# Altium PCB LB-word-PCB.PcbDoc (part 3 of 4)
Units mm, origin at the board's own origin, x right, y up, seen from the top; angles counter-clockwise.
Board outline 400 x 70 mm, 4 copper layers (Top Layer, Signal Layer 1, Signal Layer 2, Bottom Layer), stack 0.778 mm thick; 411 components, 279 nets, 1593 pads, 857 vias.
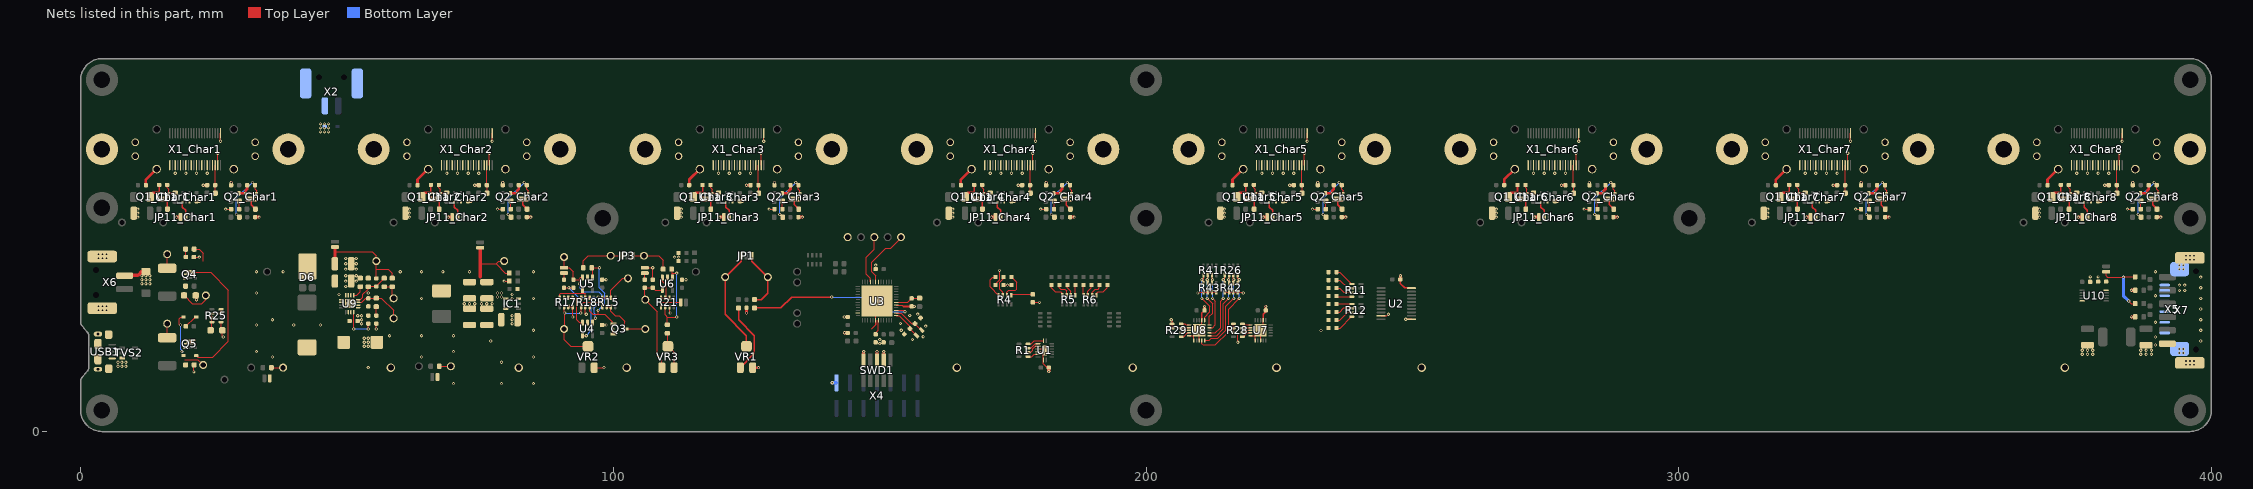
[diagram p5: the nets of this part, all layers, seen from the top]

## Via types
v1: diameter 0.6, hole 0.3, Top Layer to Bottom Layer, 849 vias
v2: diameter 1.6, hole 1.1, Top Layer to Bottom Layer, 8 vias

## Nets (pads, with @x,y where several pads share a name; then routed paths per layer and width w, separated by ;. In a path a pad name is that pad's centre, name@x,y a point inside that pad or via, vN(x,y) a via of type N, cw(c..) or ccw(c..) an arc to the next point about the centre after c; other vN are vias at no path point) (continued)
GND: C1.2 C3_Char1.2 C3_Char2.2 C3_Char3.2 C3_Char4.2 C3_Char5.2 C3_Char6.2 C3_Char7.2 C3_Char8.2 C4_Char1.2 C4_Char2.2 C4_Char3.2 C4_Char4.2 C4_Char5.2 C4_Char6.2 C4_Char7.2 C4_Char8.2 C5_Char1.2 C5_Char2.2 C5_Char3.2 C5_Char4.2 C5_Char5.2 C5_Char6.2 C5_Char7.2 C5_Char8.2 C7_Char1.2 C7_Char2.2 C7_Char3.2 C7_Char4.2 C7_Char5.2 C7_Char6.2 C7_Char7.2 C7_Char8.2 C8_Char1.2 C8_Char2.2 C8_Char3.2 C8_Char4.2 C8_Char5.2 C8_Char6.2 C8_Char7.2 C8_Char8.2 C9.2 C10.2 C11.2 C12.2 C13.2 C14.2 C15.2 C18.2 C19.2 C21.2 C22.2 C23.2 C24.2 C25.2 C26.2 C27.2 C28.2 C29.2 C30.2 C31.2 C32.2 C33.2 C34.2 C35.2 C36.2 C37.2 C38_Char1.2 C38_Char2.2 C38_Char3.2 C38_Char4.2 C38_Char5.2 C38_Char6.2 C38_Char7.2 C38_Char8.2 CI1.2 CI2.2 CI3.2 CO1.2 CO2.2 CR1.2 CX1.2 CX2.2 D1.1 D5.A D7.A Hole1_Char1.1 Hole1_Char2.1 Hole1_Char3.1 Hole1_Char4.1 Hole1_Char5.1 Hole1_Char6.1 Hole1_Char7.1 Hole1_Char8.1 Hole2_Char1.1 Hole2_Char2.1 Hole2_Char3.1 Hole2_Char4.1 Hole2_Char5.1 Hole2_Char6.1 Hole2_Char7.1 Hole2_Char8.1 IC1.1 JP4.1 JP11_Char1.3 JP11_Char2.3 JP11_Char3.3 JP11_Char4.3 JP11_Char5.3 JP11_Char6.3 JP11_Char7.3 JP11_Char8.3 L1.1 L2.1 L3.1 L4.1 L13.1 L14.1 L15.1 L16.1 L17.1 L18.1 L19.1 L20.1 L21.1 L25_Char1.1 L25_Char2.1 L25_Char3.1 L25_Char4.1 L25_Char5.1 L25_Char6.1 L25_Char7.1 L25_Char8.1 Q3.3 R17.3 R17.4 R18.2 R21.3 R25.5 R27.1 R28.1 R28.2 R28.3 R29.1 R29.2 R32.1 R34.1 R38.1 R40.1 R42.1 R42.2 R42.3 R42.4 R43.1 R43.2 R43.3 R43.4 RFB2.1 SWD1.3 SWD1.5 SWD1.9 TP25.1 TVS1.2 TVS2.3 U1.4 U1.5 U1.8 U1.PAD U2.1 U2.10 U2.19 U3.5 U3.18 U3.35 U3.42 U3.49 U4.2 U5.2 U6.2 U7.5 U7.6 U7.8 U7.17 U7.PAD U8.5 U8.6 U8.8 U8.17 U8.PAD U9.5 U9.6 U9.10 U9.11 U9.12 U9.13 U9.14 U9.PAD U10.5 U11_Char1.3 U11_Char2.3 U11_Char3.3 U11_Char4.3 U11_Char5.3 U11_Char6.3 U11_Char7.3 U11_Char8.3 USB1.5 USB1.Shield VR1.1 VR2.1 X1_Char1.1 X1_Char1.3 X1_Char1.5 X1_Char1.7 X1_Char1.9 X1_Char1.11 X1_Char1.13 X1_Char1.15 X1_Char1.17 X1_Char1.19 X1_Char1.40 X1_Char1.PWR1 X1_Char1.PWR2 X1_Char1.TAB1 X1_Char1.TAB2 X1_Char2.1 X1_Char2.3 X1_Char2.5 X1_Char2.7 X1_Char2.9 X1_Char2.11 X1_Char2.13 X1_Char2.15 X1_Char2.17 X1_Char2.19 X1_Char2.40 X1_Char2.PWR1 X1_Char2.PWR2 X1_Char2.TAB1 X1_Char2.TAB2 X1_Char3.1 X1_Char3.3 X1_Char3.5 X1_Char3.7 X1_Char3.9 X1_Char3.11 X1_Char3.13 X1_Char3.15 X1_Char3.17 X1_Char3.19 X1_Char3.40 X1_Char3.PWR1 X1_Char3.PWR2 X1_Char3.TAB1 X1_Char3.TAB2 X1_Char4.1 X1_Char4.3 X1_Char4.5 X1_Char4.7 X1_Char4.9 X1_Char4.11 X1_Char4.13 X1_Char4.15 X1_Char4.17 X1_Char4.19 X1_Char4.40 X1_Char4.PWR1 X1_Char4.PWR2 X1_Char4.TAB1 X1_Char4.TAB2 X1_Char5.1 X1_Char5.3 X1_Char5.5 X1_Char5.7 X1_Char5.9 X1_Char5.11 X1_Char5.13 X1_Char5.15 X1_Char5.17 X1_Char5.19 X1_Char5.40 X1_Char5.PWR1 X1_Char5.PWR2 X1_Char5.TAB1 X1_Char5.TAB2 X1_Char6.1 X1_Char6.3 X1_Char6.5 X1_Char6.7 X1_Char6.9 X1_Char6.11 X1_Char6.13 X1_Char6.15 X1_Char6.17 X1_Char6.19 X1_Char6.40 X1_Char6.PWR1 X1_Char6.PWR2 X1_Char6.TAB1 X1_Char6.TAB2 X1_Char7.1 X1_Char7.3 X1_Char7.5 X1_Char7.7 X1_Char7.9 X1_Char7.11 X1_Char7.13 X1_Char7.15 X1_Char7.17 X1_Char7.19 X1_Char7.40 X1_Char7.PWR1 X1_Char7.PWR2 X1_Char7.TAB1 X1_Char7.TAB2 X1_Char8.1 X1_Char8.3 X1_Char8.5 X1_Char8.7 X1_Char8.9 X1_Char8.11 X1_Char8.13 X1_Char8.15 X1_Char8.17 X1_Char8.19 X1_Char8.40 X1_Char8.PWR1 X1_Char8.PWR2 X1_Char8.TAB1 X1_Char8.TAB2 X2.1 X2.TAB X4.1 X5.1 X5.2 X5.3 X5.6 X5.8 X5.10 X5.TAB X6.1 X6.TAB X7.1 X7.TAB | length 190.4
  Top Layer w0.15: X1_Char1.19@25.75,50 v1(25.75,52.25) ; v1(26.25,54.5) X1_Char1.40@26.25,56 ; v1(55.5,19.25) C33.2@55.5,20.25 ; X1_Char2.19@76.75,50 v1(76.75,52.25) ; v1(77.25,54.5) X1_Char2.40@77.25,56 ; v1(79.5,28.25) RFB2.1@80.45,28.25 ; R17.3@91.55,23.4 R17.4@92.35,23.4 92.35,21.55 v1(92.4,21.5) ; R18.2@94.75,23.4 94.75,22.15 v1(94.9,22) ; v1(99.9,19.25) 100.025,19.125 Q3.3@100.025,18.3 ; JP4.1@105.9,30.75 v1(107.4,30.75) C22.2@107.4,28.5 ; R21.3@110.55,23.4 110.55,22.35 v1(110.65,22.25) ; X1_Char3.19@127.75,50 v1(127.75,52.25) ; v1(128.25,54.5) X1_Char3.40@128.25,56 ; L1.1@171.75,27.5 171.75,27.75 172.5,28.5 v1(172.5,30.25) ; X1_Char4.19@178.75,50 v1(178.75,52.25) ; v1(179.25,54.5) X1_Char4.40@179.25,56 ; v1(204.75,21) 204.75,20.9 204.9,20.75 R29.1@204.9,20.2 R29.2@204.9,19.4 ; U8.5@208.1,18 U8.PAD@209,18 ; U8.6@209,17.1 U8.PAD@209,18 ; U8.8@210,17.1 U8.PAD@210,19 U8.PAD@209,18 ; X1_Char5.19@229.75,50 v1(229.75,52.25) ; v1(230.25,54.5) X1_Char5.40@230.25,56 ; X1_Char6.19@280.75,50 v1(280.75,52.25) ; v1(281.25,54.5) X1_Char6.40@281.25,56 ; X1_Char7.19@331.75,50 v1(331.75,52.25) ; v1(332.25,54.5) X1_Char7.40@332.25,56 ; X1_Char8.19@382.75,50 v1(382.75,52.25) ; v1(383.25,54.5) X1_Char8.40@383.25,56
  Top Layer w0.2: v1(21.25,11.2) 21.25,12.45 R27.1@21.3,12.5 ; L21.1@21.25,32.75 v1(22.25,32.75) ; R25.5@26.35,20.55 26.35,19.25 D5.A@26.6,19 26.6,17.9 v1(26.75,17.75) ; v1(27.25,41.75) L25_Char1.1@28.25,41.75 ; v1(78.25,41.75) L25_Char2.1@79.25,41.75 ; VR2.1@96.4,12 v1(98.25,12) ; v1(129.25,41.75) L25_Char3.1@130.25,41.75 ; 148.5,19.25 149.25,20 ; U3.42@149.25,20.925 149.25,23 149.5,23.25 U3.49@149.5,24.5 ; U3.5@153.075,23.75 154.25,23.75 154.5,23.5 ; L2.1@173.25,27.5 L3.1@174.75,27.5 ; L4.1@178.75,24.25 v1(180,24.25) ; U1.5@179.7,15 U1.PAD@180.75,15 ; U1.4@179.7,15.5 180.75,15.5 U1.PAD@181,15.25 U1.PAD@180.75,15 ; v1(180.25,41.75) L25_Char4.1@181.25,41.75 ; C1.2@181.5,12 180.75,12.75 U1.8@180.75,13.45 U1.PAD@180.75,15 ; v1(209.75,26) 209.9,26.15 R43.1@210.8,26.15 R43.2@211.6,26.15 R43.3@212.4,26.15 R43.4@213.2,26.15 ; U8.PAD@210,19 210.5,19.5 U8.17@210.5,20.9 ; R42.1@214.8,26.15 R42.2@215.6,26.15 R42.3@216.4,26.15 R42.4@217.2,26.15 218.1,26.15 v1(218.25,26) ; R28.1@216.4,20.2 R28.2@216.4,19.4 R28.3@216.4,18.6 216.9,18.6 217.25,18.25 v1(217.25,16.75) ; U7.5@219.6,18 220.5,18 U7.6@220.5,17.1 ; U7.8@221.5,17.1 U7.PAD@221.5,19 222,19.5 U7.17@222,20.9 ; v1(231.25,41.75) L25_Char5.1@232.25,41.75 ; U2.19@244.15,21.725 245.225,21.725 v1(245.5,22) ; v1(282.25,41.75) L25_Char6.1@283.25,41.75 ; v1(333.25,41.75) L25_Char7.1@334.25,41.75 ; v1(384.25,41.75) L25_Char8.1@385.25,41.75
  Top Layer w0.25: 149.25,20 U3.42@149.25,20.925
  Top Layer w0.3: U8.17@210.5,20.9 210.5,22.25 C26.2@211,22.75 ; U7.17@222,20.9 222,22 C25.2@222.5,22.5 ; C10.2@247.75,28.55 247.75,27.8 248.575,26.975 U2.10@249.85,26.975 ; v1(248.75,21.075) U2.1@249.85,21.075
  Top Layer w0.4: 154.5,23.5 C11.2@156,23.5
  Top Layer w0.5: C3_Char1.2@12.25,46.25 12.25,47.275 X1_Char1.PWR1@14.25,49.275 ; v1(23,46.25) C5_Char1.2@23.75,46.25 ; C8_Char1.2@28.25,46.25 v1(28.25,46.75) ; C3_Char2.2@63.25,46.25 63.25,47.275 X1_Char2.PWR1@65.25,49.275 ; v1(74,46.25) C5_Char2.2@74.75,46.25 ; C8_Char2.2@79.25,46.25 v1(79.25,46.75) ; C3_Char3.2@114.25,46.25 114.25,47.275 X1_Char3.PWR1@116.25,49.275 ; v1(125,22.25) C9.2@125,23.25 ; v1(125,46.25) C5_Char3.2@125.75,46.25 ; VR1.1@126.15,12 v1(127.25,12) ; C8_Char3.2@130.25,46.25 v1(130.25,46.75) ; v1(143.4,18.55) 143.45,18.5 CR1.2@144,18.5 ; SWD1.9@146.96,13.45 146.96,14.96 v1(147,15) ; SWD1.5@149.5,13.45 v1(149.5,15) ; v1(150.75,15) 150.77,14.98 SWD1.3@150.77,13.45 ; C3_Char4.2@165.25,46.25 165.25,47.275 X1_Char4.PWR1@167.25,49.275 ; v1(176,46.25) C5_Char4.2@176.75,46.25 ; C8_Char4.2@181.25,46.25 v1(181.25,46.75) ; C3_Char5.2@216.25,46.25 216.25,47.275 X1_Char5.PWR1@218.25,49.275 ; C25.2@222.5,22.75 v1(222.5,23.5) ; v1(227,46.25) C5_Char5.2@227.75,46.25 ; C8_Char5.2@232.25,46.25 v1(232.25,46.75) ; C3_Char6.2@267.25,46.25 267.25,47.275 X1_Char6.PWR1@269.25,49.275 ; v1(278,46.25) C5_Char6.2@278.75,46.25 ; C8_Char6.2@283.25,46.25 v1(283.25,46.75) ; C3_Char7.2@318.25,46.25 318.25,47.275 X1_Char7.PWR1@320.25,49.275 ; v1(329,46.25) C5_Char7.2@329.75,46.25 ; C8_Char7.2@334.25,46.25 v1(334.25,46.75) ; C3_Char8.2@369.25,46.25 369.25,47.275 X1_Char8.PWR1@371.25,49.275 ; v1(380,46.25) C5_Char8.2@380.75,46.25 ; C8_Char8.2@385.25,46.25 v1(385.25,46.75)
  Top Layer w0.6: X6.1@7.75,29.35 10.785,29.35 TVS1.2@11.5,30.065 ; v1(18,40.25) JP11_Char1.3@18.75,40.25 ; D1.1@21.6,25.55 21.75,25.4 v1(21.75,24.75) ; C38_Char1.2@21.75,43.25 v1(22.25,43.25) ; C7_Char1.2@32.75,40.25 v1(33.5,40.25) ; v1(69,40.25) JP11_Char2.3@69.75,40.25 ; C38_Char2.2@72.75,43.25 v1(73.25,43.25) ; C7_Char2.2@83.75,40.25 v1(84.5,40.25) ; v1(120,40.25) JP11_Char3.3@120.75,40.25 ; C38_Char3.2@123.75,43.25 v1(124.25,43.25) ; C7_Char3.2@134.75,40.25 v1(135.5,40.25) ; C11.2@156,23.5 v1(156.5,23.5) ; v1(171,40.25) JP11_Char4.3@171.75,40.25 ; C38_Char4.2@174.75,43.25 v1(175.25,43.25) ; v1(181.75,11.25) C1.2@181.75,12 ; C7_Char4.2@185.75,40.25 v1(186.5,40.25) ; C26.2@211,22.75 v1(211,23.5) ; v1(222,40.25) JP11_Char5.3@222.75,40.25 ; C38_Char5.2@225.75,43.25 v1(226.25,43.25) ; C7_Char5.2@236.75,40.25 v1(237.5,40.25) ; C10.2@247.75,28.55 v1(247.75,29.25) ; v1(273,40.25) JP11_Char6.3@273.75,40.25 ; C38_Char6.2@276.75,43.25 v1(277.25,43.25) ; C7_Char6.2@287.75,40.25 v1(288.5,40.25) ; v1(324,40.25) JP11_Char7.3@324.75,40.25 ; C38_Char7.2@327.75,43.25 v1(328.25,43.25) ; C7_Char7.2@338.75,40.25 v1(339.5,40.25) ; v1(375,40.25) JP11_Char8.3@375.75,40.25 ; C38_Char8.2@378.75,43.25 v1(379.25,43.25) ; v1(385,21.527) R40.1@385.7,21.527 ; v1(385,26.527) R38.1@385.7,26.527 ; C7_Char8.2@389.75,40.25 v1(390.5,40.25) ; X7.TAB@394,12.5 395.949,12.5 X7.TAB@395.95,12.9
  Bottom Layer w0.6: v1(141.1,9.15) X4.1@141.88,9.15
  other v1: 70,9 79,9 85,9 54,12 7,12.25 7.75,12.25 8.5,12.25 395.25,12.5 396,12.5 396.75,12.5 7,13 7.75,13 8.5,13 79,13 395.25,13.25 396,13.25 396.75,13.25 36,14 64,14 85,14 375.75,14.5 376.75,14.5 377.75,14.5 386.75,14.5 387.75,14.5 388.75,14.5 394,14.75 394.75,14.75 33,15 70,15 375.75,15.25 376.75,15.25 377.75,15.25 386.75,15.25 387.75,15.25 388.75,15.25 394,15.5 394.75,15.5 53.25,16 54,16 389.5,16.25 150,16.5 53.25,16.75 54,16.75 77,17 398,17 150,17.25 156.15,17.3 53.25,17.5 54,17.5 389.5,17.75 158.15,17.8 58,18 64,18 70,18 232.85,18.975 85,19 154.05,19 398,19 158.65,19.8 33,20 40,20 45,20 98.65,20 52.75,20.25 81,20.25 153.9,20.3 389.5,20.5 36,21 52.75,21 81,21 398,21 143.35,21.5 52,21.75 52.75,21.75 81,21.75 155.65,21.8 157.15,22.05 3.35,22.8 4.1,22.8 4.85,22.8 398,23 50,23.5 51,23.5 3.35,23.55 4.1,23.55 4.85,23.55 72,24 73,24 74,24 75.25,24 76.25,24 77.25,24 50,24.5 51,24.5 64,25 81,25 85,25 398,25 78.25,25.25 79,25.25 389.5,25.5 48.5,25.75 81,25.75 33,26 54,26 78.25,26 79,26 394,26.5 395,26.5 398,27 49.75,27.25 174,27.5 394,27.5 395,27.5 11.5,27.75 12.25,27.75 13,27.75 49.75,28.25 51.75,28.25 11.5,28.5 12.25,28.5 13,28.5 98.65,28.5 113.65,28.5 398,29 377.25,29.027 378.75,29.027 11.5,29.25 12.25,29.25 13,29.25 49.75,29.25 51.75,29.25 33,30 38,30 60,30 64,30 68,30 73,30 85,30 389.5,30 49.75,30.5 51.75,30.5 394,30.5 394.75,30.5 149.25,31.25 394,31.25 394.75,31.25 49.75,31.5 51.75,31.5 395.25,32.25 396,32.25 396.75,32.25 49.75,32.5 51.75,32.5 3.35,32.55 4.1,32.55 4.85,32.55 111.5,32.75 112.25,32.75 395.25,33 396,33 396.75,33 3.35,33.3 4.1,33.3 4.85,33.3 10.75,40.25 61.75,40.25 112.75,40.25 163.75,40.25 214.75,40.25 265.75,40.25 316.75,40.25 367.75,40.25 10.75,41 61.75,41 112.75,41 163.75,41 214.75,41 265.75,41 316.75,41 367.75,41 10.75,41.75 61.75,41.75 112.75,41.75 163.75,41.75 214.75,41.75 265.75,41.75 316.75,41.75 367.75,41.75 17.75,48.5 19.75,48.5 21.75,48.5 23.75,48.5 68.75,48.5 70.75,48.5 72.75,48.5 74.75,48.5 119.75,48.5 121.75,48.5 123.75,48.5 125.75,48.5 170.75,48.5 172.75,48.5 174.75,48.5 176.75,48.5 221.75,48.5 223.75,48.5 225.75,48.5 227.75,48.5 272.75,48.5 274.75,48.5 276.75,48.5 278.75,48.5 323.75,48.5 325.75,48.5 327.75,48.5 329.75,48.5 374.75,48.5 376.75,48.5 378.75,48.5 380.75,48.5 45,56.25 45.75,56.25 46.5,56.25 45,57 45.75,57 46.5,57 45,57.75 45.75,57.75 46.5,57.75
  other v2: 58.25,12 82.25,12 102.5,12 164.5,12 197.5,12 224.5,12 251.75,12 372.5,12
MCU_DAC: R9.1 U3.3 | length 32
  Top Layer w0.2: U3.3@153.075,22.75 154.5,22.75 v1(154.75,22.5)
  Top Layer w0.25: R9.1@126.5,23.2 131.45,23.2 133.5,25.25 v1(141,25.25)
  Bottom Layer w0.15: v1(141,25.25) 147,25.25 149.75,22.5 v1(154.75,22.5)
MISO: TP23.1 U3.21 | length 9.9
  Top Layer w0.15: U3.21@148.25,28.075 148.25,28.75 147.5,29.5 147.5,32.75 149,34.25 TP23.1@149,37
MOSI: TP21.1 U3.19 | length 11.6
  Top Layer w0.15: U3.19@149.25,28.075 149.25,29.25 148.5,30 148.5,31.75 151.125,34.375 152.125,34.375 154,36.25 TP21.1@154,36.5
NetC2_Char1_1: C2_Char1.1 F1_Char1.1 Q1_Char1.S | length 4.4
  Top Layer w0.3: C2_Char1.1@14.75,46.3 14.75,44.8 14.475,44.8 14.508,44.767 Q1_Char1.S@15.4,44.767
  Top Layer w0.5: F1_Char1.1@13.027,44.3 13.527,44.8 Q1_Char1.S@14.475,44.8
NetC2_Char1_2: C2_Char1.2 Q1_Char1.G R7_Char1.2 | length 2.9
  Top Layer w0.2: C2_Char1.2@16.25,46.3 16.25,45.75 16.525,45.475 16.525,44.8 17.55,44.8 R7_Char1.2@17.75,44.6
NetC2_Char2_1: C2_Char2.1 F1_Char2.1 Q1_Char2.S | length 4.4
  Top Layer w0.3: C2_Char2.1@65.75,46.3 65.75,44.8 65.475,44.8 65.508,44.767 Q1_Char2.S@66.4,44.767
  Top Layer w0.5: F1_Char2.1@64.027,44.3 64.527,44.8 Q1_Char2.S@65.475,44.8
NetC2_Char2_2: C2_Char2.2 Q1_Char2.G R7_Char2.2 | length 2.9
  Top Layer w0.2: C2_Char2.2@67.25,46.3 67.25,45.75 67.525,45.475 67.525,44.8 68.55,44.8 R7_Char2.2@68.75,44.6
NetC2_Char3_1: C2_Char3.1 F1_Char3.1 Q1_Char3.S | length 4.4
  Top Layer w0.3: C2_Char3.1@116.75,46.3 116.75,44.8 116.475,44.8 116.508,44.767 Q1_Char3.S@117.4,44.767
  Top Layer w0.5: F1_Char3.1@115.027,44.3 115.527,44.8 Q1_Char3.S@116.475,44.8
NetC2_Char3_2: C2_Char3.2 Q1_Char3.G R7_Char3.2 | length 2.9
  Top Layer w0.2: C2_Char3.2@118.25,46.3 118.25,45.75 118.525,45.475 118.525,44.8 119.55,44.8 R7_Char3.2@119.75,44.6
NetC2_Char4_1: C2_Char4.1 F1_Char4.1 Q1_Char4.S | length 4.4
  Top Layer w0.3: C2_Char4.1@167.75,46.3 167.75,44.8 167.475,44.8 167.508,44.767 Q1_Char4.S@168.4,44.767
  Top Layer w0.5: F1_Char4.1@166.027,44.3 166.527,44.8 Q1_Char4.S@167.475,44.8
NetC2_Char4_2: C2_Char4.2 Q1_Char4.G R7_Char4.2 | length 2.9
  Top Layer w0.2: C2_Char4.2@169.25,46.3 169.25,45.75 169.525,45.475 169.525,44.8 170.55,44.8 R7_Char4.2@170.75,44.6
NetC2_Char5_1: C2_Char5.1 F1_Char5.1 Q1_Char5.S | length 4.4
  Top Layer w0.3: C2_Char5.1@218.75,46.3 218.75,44.8 218.475,44.8 218.508,44.767 Q1_Char5.S@219.4,44.767
  Top Layer w0.5: F1_Char5.1@217.027,44.3 217.527,44.8 Q1_Char5.S@218.475,44.8
NetC2_Char5_2: C2_Char5.2 Q1_Char5.G R7_Char5.2 | length 2.9
  Top Layer w0.2: C2_Char5.2@220.25,46.3 220.25,45.75 220.525,45.475 220.525,44.8 221.55,44.8 R7_Char5.2@221.75,44.6
NetC2_Char6_1: C2_Char6.1 F1_Char6.1 Q1_Char6.S | length 4.4
  Top Layer w0.3: C2_Char6.1@269.75,46.3 269.75,44.8 269.475,44.8 269.508,44.767 Q1_Char6.S@270.4,44.767
  Top Layer w0.5: F1_Char6.1@268.027,44.3 268.527,44.8 Q1_Char6.S@269.475,44.8
NetC2_Char6_2: C2_Char6.2 Q1_Char6.G R7_Char6.2 | length 2.9
  Top Layer w0.2: C2_Char6.2@271.25,46.3 271.25,45.75 271.525,45.475 271.525,44.8 272.55,44.8 R7_Char6.2@272.75,44.6
NetC2_Char7_1: C2_Char7.1 F1_Char7.1 Q1_Char7.S | length 4.4
  Top Layer w0.3: C2_Char7.1@320.75,46.3 320.75,44.8 320.475,44.8 320.508,44.767 Q1_Char7.S@321.4,44.767
  Top Layer w0.5: F1_Char7.1@319.027,44.3 319.527,44.8 Q1_Char7.S@320.475,44.8
NetC2_Char7_2: C2_Char7.2 Q1_Char7.G R7_Char7.2 | length 2.9
  Top Layer w0.2: C2_Char7.2@322.25,46.3 322.25,45.75 322.525,45.475 322.525,44.8 323.55,44.8 R7_Char7.2@323.75,44.6
NetC2_Char8_1: C2_Char8.1 F1_Char8.1 Q1_Char8.S | length 4.4
  Top Layer w0.3: C2_Char8.1@371.75,46.3 371.75,44.8 371.475,44.8 371.508,44.767 Q1_Char8.S@372.4,44.767
  Top Layer w0.5: F1_Char8.1@370.027,44.3 370.527,44.8 Q1_Char8.S@371.475,44.8
NetC2_Char8_2: C2_Char8.2 Q1_Char8.G R7_Char8.2 | length 2.9
  Top Layer w0.2: C2_Char8.2@373.25,46.3 373.25,45.75 373.525,45.475 373.525,44.8 374.55,44.8 R7_Char8.2@374.75,44.6
NetC5_Char1_1: C5_Char1.1 FB2_Char1.2 X1_Char1.18 | length 5.3
  Top Layer w0.2: X1_Char1.18@25.25,50 C5_Char1.1@25.25,46.25 25.3,46.2 FB2_Char1.2@25.3,44.75
NetC5_Char2_1: C5_Char2.1 FB2_Char2.2 X1_Char2.18 | length 5.3
  Top Layer w0.2: X1_Char2.18@76.25,50 C5_Char2.1@76.25,46.25 76.3,46.2 FB2_Char2.2@76.3,44.75
NetC5_Char3_1: C5_Char3.1 FB2_Char3.2 X1_Char3.18 | length 5.3
  Top Layer w0.2: X1_Char3.18@127.25,50 C5_Char3.1@127.25,46.25 127.3,46.2 FB2_Char3.2@127.3,44.75
NetC5_Char4_1: C5_Char4.1 FB2_Char4.2 X1_Char4.18 | length 5.3
  Top Layer w0.2: X1_Char4.18@178.25,50 C5_Char4.1@178.25,46.25 178.3,46.2 FB2_Char4.2@178.3,44.75
NetC5_Char5_1: C5_Char5.1 FB2_Char5.2 X1_Char5.18 | length 5.3
  Top Layer w0.2: X1_Char5.18@229.25,50 C5_Char5.1@229.25,46.25 229.3,46.2 FB2_Char5.2@229.3,44.75
NetC5_Char6_1: C5_Char6.1 FB2_Char6.2 X1_Char6.18 | length 5.3
  Top Layer w0.2: X1_Char6.18@280.25,50 C5_Char6.1@280.25,46.25 280.3,46.2 FB2_Char6.2@280.3,44.75
NetC5_Char7_1: C5_Char7.1 FB2_Char7.2 X1_Char7.18 | length 5.3
  Top Layer w0.2: X1_Char7.18@331.25,50 C5_Char7.1@331.25,46.25 331.3,46.2 FB2_Char7.2@331.3,44.75
NetC5_Char8_1: C5_Char8.1 FB2_Char8.2 X1_Char8.18 | length 5.3
  Top Layer w0.2: X1_Char8.18@382.25,50 C5_Char8.1@382.25,46.25 382.3,46.2 FB2_Char8.2@382.3,44.75
NetC6_Char1_1: C6_Char1.1 F2_Char1.1 Q2_Char1.S | length 3.8
  Top Layer w0.2: Q2_Char1.S@30.975,44.75 31.008,44.717 Q2_Char1.S@31.9,44.717
  Top Layer w0.5: F2_Char1.1@29.7,44.75 Q2_Char1.S@30.975,44.75 30.975,45.225 31.25,45.5 C6_Char1.1@31.25,46.25
NetC6_Char1_2: C6_Char1.2 Q2_Char1.G R8_Char1.2 | length 10.4
  Top Layer w0.15: v1(29.25,40.75) 29.3,40.75 R8_Char1.2@29.8,40.25 ; v1(32.25,46.75) C6_Char1.2@32.75,46.25
  Top Layer w0.2: C6_Char1.2@32.75,46.25 32.75,45.5 33.025,45.225 Q2_Char1.G@33.025,44.75 Q2_Char1.G@33.075,44.8
  Bottom Layer w0.15: v1(29.25,40.75) 29.25,43.75 v1(32.25,46.75)
NetC6_Char2_1: C6_Char2.1 F2_Char2.1 Q2_Char2.S | length 3.8
  Top Layer w0.2: Q2_Char2.S@81.975,44.75 82.008,44.717 Q2_Char2.S@82.9,44.717
  Top Layer w0.5: F2_Char2.1@80.7,44.75 Q2_Char2.S@81.975,44.75 81.975,45.225 82.25,45.5 C6_Char2.1@82.25,46.25
NetC6_Char2_2: C6_Char2.2 Q2_Char2.G R8_Char2.2 | length 10.4
  Top Layer w0.15: v1(80.25,40.75) 80.3,40.75 R8_Char2.2@80.8,40.25 ; v1(83.25,46.75) C6_Char2.2@83.75,46.25
  Top Layer w0.2: C6_Char2.2@83.75,46.25 83.75,45.5 84.025,45.225 Q2_Char2.G@84.025,44.75 Q2_Char2.G@84.075,44.8
  Bottom Layer w0.15: v1(80.25,40.75) 80.25,43.75 v1(83.25,46.75)
NetC6_Char3_1: C6_Char3.1 F2_Char3.1 Q2_Char3.S | length 3.8
  Top Layer w0.2: Q2_Char3.S@132.975,44.75 133.008,44.717 Q2_Char3.S@133.9,44.717
  Top Layer w0.5: F2_Char3.1@131.7,44.75 Q2_Char3.S@132.975,44.75 132.975,45.225 133.25,45.5 C6_Char3.1@133.25,46.25
NetC6_Char3_2: C6_Char3.2 Q2_Char3.G R8_Char3.2 | length 10.4
  Top Layer w0.15: v1(131.25,40.75) 131.3,40.75 R8_Char3.2@131.8,40.25 ; v1(134.25,46.75) C6_Char3.2@134.75,46.25
  Top Layer w0.2: C6_Char3.2@134.75,46.25 134.75,45.5 135.025,45.225 Q2_Char3.G@135.025,44.75 Q2_Char3.G@135.075,44.8
  Bottom Layer w0.15: v1(131.25,40.75) 131.25,43.75 v1(134.25,46.75)
NetC6_Char4_1: C6_Char4.1 F2_Char4.1 Q2_Char4.S | length 3.8
  Top Layer w0.2: Q2_Char4.S@183.975,44.75 184.008,44.717 Q2_Char4.S@184.9,44.717
  Top Layer w0.5: F2_Char4.1@182.7,44.75 Q2_Char4.S@183.975,44.75 183.975,45.225 184.25,45.5 C6_Char4.1@184.25,46.25
NetC6_Char4_2: C6_Char4.2 Q2_Char4.G R8_Char4.2 | length 10.4
  Top Layer w0.15: v1(182.25,40.75) 182.3,40.75 R8_Char4.2@182.8,40.25 ; v1(185.25,46.75) C6_Char4.2@185.75,46.25
  Top Layer w0.2: C6_Char4.2@185.75,46.25 185.75,45.5 186.025,45.225 Q2_Char4.G@186.025,44.75 Q2_Char4.G@186.075,44.8
  Bottom Layer w0.15: v1(182.25,40.75) 182.25,43.75 v1(185.25,46.75)
NetC6_Char5_1: C6_Char5.1 F2_Char5.1 Q2_Char5.S | length 3.8
  Top Layer w0.2: Q2_Char5.S@234.975,44.75 235.008,44.717 Q2_Char5.S@235.9,44.717
  Top Layer w0.5: F2_Char5.1@233.7,44.75 Q2_Char5.S@234.975,44.75 234.975,45.225 235.25,45.5 C6_Char5.1@235.25,46.25
NetC6_Char5_2: C6_Char5.2 Q2_Char5.G R8_Char5.2 | length 10.4
  Top Layer w0.15: v1(233.25,40.75) 233.3,40.75 R8_Char5.2@233.8,40.25 ; v1(236.25,46.75) C6_Char5.2@236.75,46.25
  Top Layer w0.2: C6_Char5.2@236.75,46.25 236.75,45.5 237.025,45.225 Q2_Char5.G@237.025,44.75 Q2_Char5.G@237.075,44.8
  Bottom Layer w0.15: v1(233.25,40.75) 233.25,43.75 v1(236.25,46.75)
NetC6_Char6_1: C6_Char6.1 F2_Char6.1 Q2_Char6.S | length 3.8
  Top Layer w0.2: Q2_Char6.S@285.975,44.75 286.008,44.717 Q2_Char6.S@286.9,44.717
  Top Layer w0.5: F2_Char6.1@284.7,44.75 Q2_Char6.S@285.975,44.75 285.975,45.225 286.25,45.5 C6_Char6.1@286.25,46.25